# Altium PCB RcMPPT-SCC.PcbDoc (part 2 of 2)
Units mm, origin at the board's own origin, x right, y up, seen from the top; angles counter-clockwise.
Board outline 99.06 x 55.88 mm, 4 copper layers (Top Layer, Mid Layer 1, Mid Layer 2, Bottom Layer), stack 1.531 mm thick; 116 components, 88 nets, 523 pads, 348 vias.
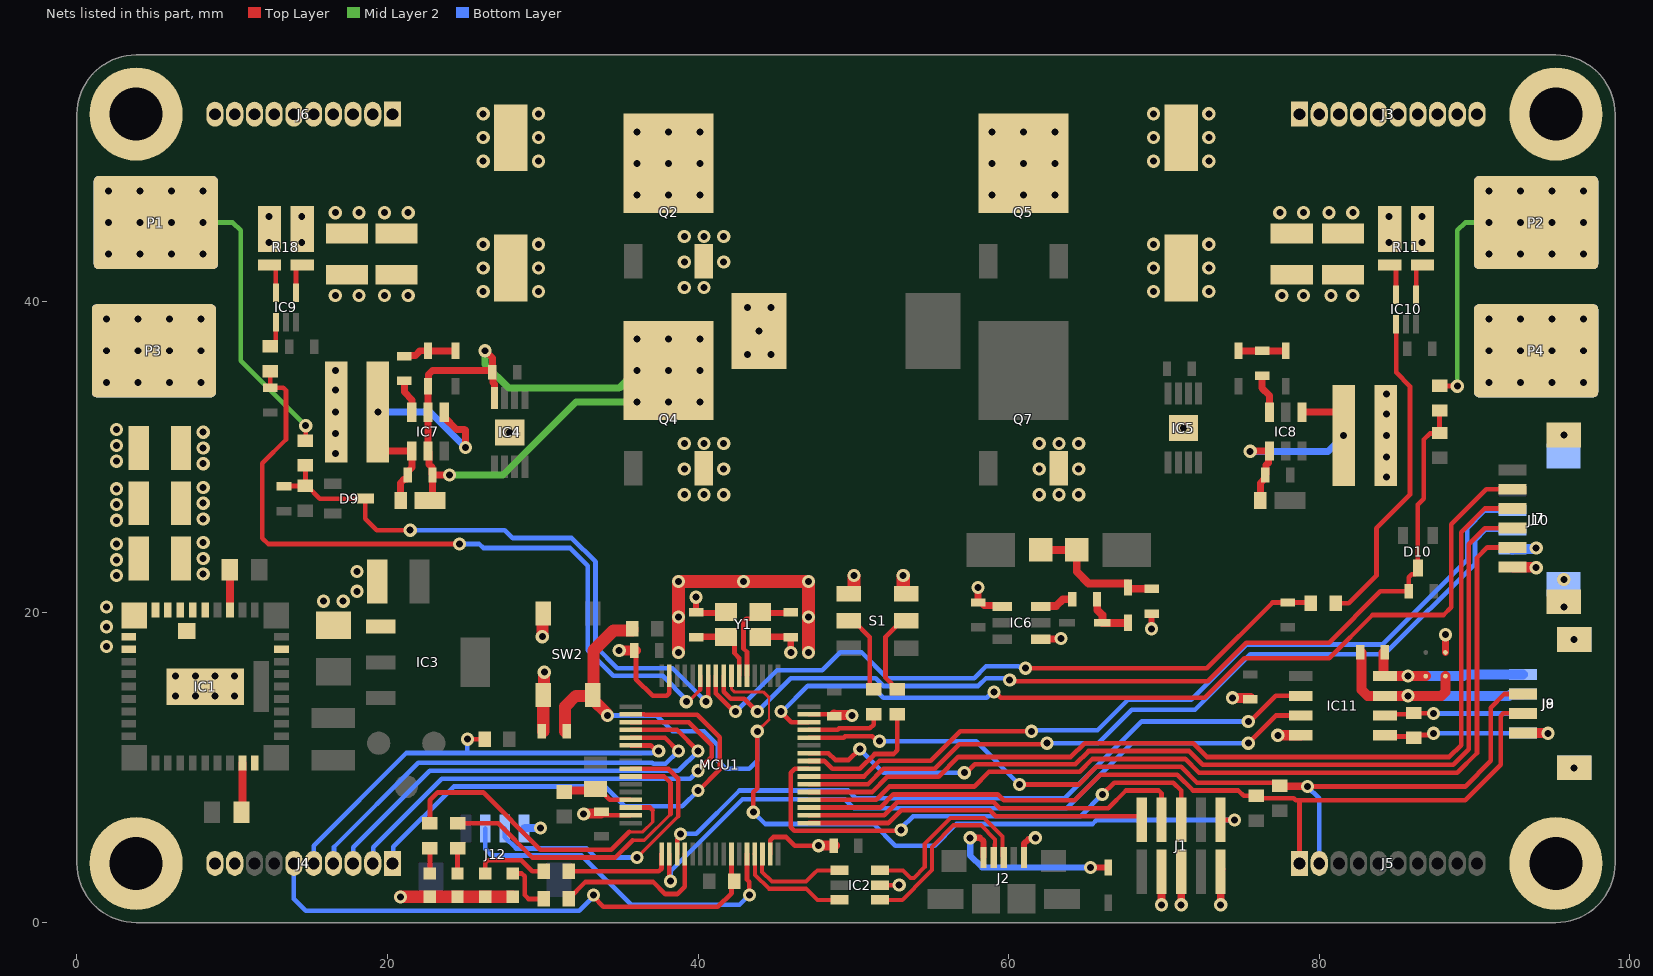
[diagram p4: the nets of this part, all layers, seen from the top]

## Via types
v1: diameter 0.85, hole 0.45, Top Layer to Bottom Layer, tented both sides, 340 vias
v2: diameter 0.85, hole 0.45, Top Layer to Bottom Layer, 8 vias

## Nets (pads, with @x,y where several pads share a name; then routed paths per layer and width w, separated by ;. In a path a pad name is that pad's centre, name@x,y a point inside that pad or via, vN(x,y) a via of type N, cw(c..) or ccw(c..) an arc to the next point about the centre after c; other vN are vias at no path point) (continued)
BUCK-TS: C13.2 C22.1 D7.2 IC4.8 IC7.2 IC7.5 L1.1 Q2.4 Q4.3 Z1.1 | length 42.8
  Top Layer w0.45: Z1.1@22.748,27.178 22.898,27.328 C22.1@22.898,28.829 ; v1(24.003,28.829) C22.1@22.898,28.829 ; v1(26.289,36.83) 26.759,36.36 C13.2@26.759,35.433 ; IC4.8@26.894,33.782 26.894,34.701 26.797,34.798 26.797,35.395 C13.2@26.759,35.433 ; C22.1@22.898,28.829 22.86,28.867 22.86,29.337 22.681,29.516 22.681,30.298 IC7.2@22.606,30.373 IC7.5@22.606,32.873 D7.2@22.606,34.549 22.631,34.574 22.631,35.296 22.895,35.56 26.714,35.56 26.759,35.515 C13.2@26.759,35.433
  Mid Layer 2 w0.45: v1(24.003,28.829) 27.432,28.829 32.131,33.528 v1(36.068,33.528) ; v1(26.289,36.83) 26.289,35.941 27.813,34.417 34.925,34.417 v1(36.068,35.56)
  other v1: 38.1,33.528 40.132,33.528 38.1,35.56 40.132,35.56 43.18,36.576 44.704,36.576 36.068,37.592 38.1,37.592 40.132,37.592 43.93,38.1 43.18,39.624 44.704,39.624 39.116,40.894 40.386,40.894 39.116,42.545 41.656,42.545 39.116,44.196 40.386,44.196 41.656,44.196
NetC15_1: C15.1 IC6.6 | length 2.2
  Top Layer w0.508: IC6.6@62.083,20.354 62.129,20.4 63.072,20.4 63.5,20.828 C15.1@64.097,20.828
NetC15_2: C15.2 D1.1 D2.2 | length 3.3
  Top Layer w0.508: C15.2@65.697,20.828 65.713,20.812 65.713,20.139 66.04,19.812 66.04,19.308 D1.1@66.035,19.304 67.687,19.304 D2.2@67.691,19.309
NetC18_1: C18.1 D2.1 D4.2 D?.2 | length 9.2
  Top Layer w0.508: D4.2@62.069,24.003 D?.2@64.389,24.003 64.389,22.606 65.151,21.844 67.687,21.844 67.691,21.84 D2.1@67.691,21.585 67.691,21.505 67.695,21.501 C18.1@69.215,21.501
NetC20_1: C20.1 IC7.6 | length 2.2
  Top Layer w0.45: C20.1@21.082,34.887 21.082,34.163 21.59,33.655 21.59,32.907 IC7.6@21.556,32.873
NetC20_2: C20.2 D7.1 D8.2 | length 3.4
  Top Layer w0.45: C20.2@21.082,36.487 21.127,36.532 21.8,36.532 22.098,36.83 22.601,36.83 D7.1@22.606,36.825 D8.2@24.384,36.825
NetC21_1: C21.1 IC8.6 | length 2.6
  Top Layer w0.45: C21.1@76.327,35.23 76.327,34.417 76.801,33.943 IC8.6@76.801,32.873
NetC21_2: C21.2 D5.2 D6.1 | length 3.1
  Top Layer w0.45: D5.2@74.803,36.825 74.805,36.827 76.324,36.827 C21.2@76.327,36.83 76.33,36.827 77.849,36.827 D6.1@77.851,36.825
NetC22_2: C22.2 IC7.1 IC7.4 R7.2 Z1.2 | length 18
  Top Layer w0.45: R7.2@19.257,32.893 19.257,30.873 19.757,30.373 IC7.1@21.556,30.373 21.59,30.339 21.59,29.321 21.298,29.029 C22.2@21.298,28.829 21.298,28.629 21.253,28.584 21.112,28.584 20.848,28.32 Z1.2@20.848,27.178 ; IC7.4@23.656,32.873 23.656,32.548 24.447,31.757 24.974,31.757 25.019,31.712 v1(25.019,30.607)
  Bottom Layer w0.45: v1@19.257,32.893 22.733,32.893 v1(25.019,30.607)
  other v1: 19.384,32.893
NetC23_2: C23.2 IC8.1 IC8.4 R8.2 Z2.2 | length 15.1
  Top Layer w0.45: v1@75.565,30.461 v1(75.565,30.353) 75.575,30.363 IC8.1@76.791,30.363 ; Z2.2@76.22,27.178 76.22,28.32 76.484,28.584 76.498,28.584 76.543,28.629 C23.2@76.543,28.829 76.581,28.867 76.581,29.464 76.726,29.609 76.726,30.298 IC8.1@76.791,30.363 ; IC8.1@76.801,30.373 IC8.1@76.791,30.363 ; IC8.4@78.901,32.873 81.081,32.873 81.581,32.373 v1(81.581,31.369)
  Bottom Layer w0.45: v1(75.565,30.353) 80.565,30.353 v1(81.581,31.369)
NetC26_1: C26.1 C27.1 C30.1 Q2.3 R18.4
  other v1: 14.478,43.815 14.478,45.466 16.637,45.72 18.161,45.72 19.812,45.72 21.336,45.72 36.068,46.863 38.1,46.863 40.132,46.863 36.068,48.895 38.1,48.895 40.132,48.895 26.162,49.04 29.718,49.04 26.162,50.564 29.718,50.564 36.068,50.927 38.1,50.927 40.132,50.927 26.162,52.088 29.718,52.088
NetC28_1: C28.1 C29.1 C31.1 Q5.3 R11.1
  other v1: 84.508,43.815 84.508,45.466 77.47,45.72 78.994,45.72 80.645,45.72 82.169,45.72 58.928,46.863 60.96,46.863 62.992,46.863 58.928,48.895 60.96,48.895 62.992,48.895 69.342,49.04 72.898,49.04 69.342,50.564 72.898,50.564 58.928,50.927 60.96,50.927 62.992,50.927 69.342,52.088 72.898,52.088
NetC34_1: C34.1 IC11.7 J9.2 SB1.2 | length 16.5
  Top Layer w0.65: C34.1@82.739,17.399 82.739,14.986 83.12,14.605 IC11.7@84.246,14.605 v1(85.725,14.605) 87.881,14.605 88.138,14.862 SB1.2@88.138,15.875
  Bottom Layer w0.65: v1(85.725,14.605) 92.224,14.605 92.316,14.697 93.106,14.697 J9.2@93.131,14.722
NetC34_2: C34.2 IC11.8 J9.1 SB2.2 | length 11.7
  Top Layer w0.65: C34.2@84.139,17.399 84.139,15.875 IC11.8@84.246,15.875 v1(85.725,15.875) SB2.2@86.868,15.875
  Bottom Layer w0.65: v1(85.725,15.875) 89.281,15.875 89.378,15.972 J9.1@93.131,15.972
NetD11_2: D11.2 J2.1 | length 12.3
  Top Layer w0.4: v1(57.531,5.461) 58.156,5.461 58.39,5.227 J2.1@58.39,4.199 ; v1(65.278,3.556) 65.28,3.554 66.418,3.554 D11.2@66.421,3.551
  Bottom Layer w0.4: v1(57.531,5.461) 57.531,4.318 58.293,3.556 v1(65.278,3.556)
NetIC9_1: IC9.1 R9.2 | length 1.8
  Top Layer w0.3: R9.2@12.446,37.122 12.546,37.122 12.812,37.388 IC9.1@12.812,38.674
NetIC9_4: IC9.4 R18.3 | length 2.2
  Top Layer w0.3: IC9.4@14.112,40.447 14.112,42.144 14.312,42.344 R18.3@14.515,42.344
NetIC9_5: IC9.5 R18.2 | length 2.2
  Top Layer w0.3: R18.2@12.409,42.344 12.612,42.344 12.812,42.144 IC9.5@12.812,40.447
NetIC10_1: IC10.1 R10.2 | length 20.8
  Top Layer w0.3: R10.2@81.064,20.574 81.915,20.574 83.693,22.352 83.693,25.4 85.852,27.559 85.852,34.544 84.963,35.433 84.963,38.532 IC10.1@84.948,38.547
NetIC10_4: IC10.4 R11.3 | length 2.2
  Top Layer w0.3: IC10.4@86.248,40.447 86.248,42.144 86.448,42.344 R11.3@86.651,42.344
NetIC10_5: IC10.5 R11.2 | length 2.2
  Top Layer w0.3: R11.2@84.545,42.344 84.748,42.344 84.948,42.144 IC10.5@84.948,40.447
NetIC11_5: IC11.5 J9.4 R17.1 | length 9.1
  Top Layer w0.3: IC11.5@84.246,12.065 84.329,11.983 86.023,11.983 R17.1@86.106,11.9 86.293,12.087 87.271,12.087 v1(87.376,12.192)
  Bottom Layer w0.3: v1(87.376,12.192) 93.101,12.192 J9.4@93.131,12.222
NetIC11_6: IC11.6 J9.3 R17.2 | length 9
  Top Layer w0.3: IC11.6@84.246,13.335 84.329,13.418 86.024,13.418 R17.2@86.106,13.5 86.125,13.481 87.357,13.481 v1(87.376,13.462)
  Bottom Layer w0.3: v1(87.376,13.462) 87.381,13.467 93.126,13.467 J9.3@93.131,13.472
NetLED1_2: LED1.2 R3.2 | length 1.6
  Top Layer w0.3: LED1.2@22.733,3.163 R3.2@22.733,4.788
NetLED2_2: LED2.2 R4.2 | length 1.6
  Top Layer w0.3: LED2.2@24.511,3.163 R4.2@24.511,4.788
NetLED3_2: LED3.2 R5.2 | length 4.8
  Top Layer w0.3: LED3.2@26.289,3.163 26.289,3.837 26.465,4.013 28.626,4.013 29.337,3.302 R5.2@30.061,3.302
NetLED4_2: LED4.2 R6.2 | length 3.4
  Top Layer w0.3: LED4.2@28.067,3.163 28.653,3.163 28.829,2.987 28.829,1.778 29.083,1.524 R6.2@30.061,1.524
NetR1_1: R1.1 S1.2 | length 5.5
  Top Layer w0.3: R1.1@52.832,15.024 52.732,15.024 52.482,15.274 52.482,15.374 52.07,15.786 52.07,18.389 53.112,19.431 S1.2@53.412,19.431
NetR2_1: R2.1 S1.5 | length 5.2
  Top Layer w0.3: S1.5@49.712,19.431 50.012,19.431 51.054,18.389 51.054,15.274 51.304,15.024 R2.1@51.308,15.024
PGND: C1.2 C2.2 C3.2 C4.2 C5.2 C8.2 C9.2 C10.2 C11.2 C12.2 C17.2 C18.2 C26.2 C27.2 C28.2 C29.2 C30.2 C31.2 C33.2 CL1.1 CL2.1 IC1.19 IC1.29 IC1.30 IC1.31 IC1.32 IC1.33 IC1.41 IC2.2 IC3.1 IC4.9 IC5.9 IC6.1 IC6.4 IC11.4 J1.3 J1.5 J1.9 J2.5 J3.1 J3.2 J3.3 J3.4 J4.9 J4.10 J6.1 J6.2 J6.3 J6.4 J7.6 J7.MP1 J7.MP2 J8.1 J8.MP1 J8.MP2 J9.MP1 J9.MP2 J10.4 J10.MP1 J10.MP2 J12.1 LED1.1 LED2.1 LED3.1 LED4.1 MCU1.15 MCU1.31 MCU1.47 MCU1.63 P3.1 P4.1 pad.2 Q4.4 Q7.4 R7.1 R8.1 S1.3 S1.6 SB1.1 SW2.3 SW2.4 Y1.2 Y1.4 | length 86.3
  Top Layer w0.3: C10.2@33.782,7.05 33.922,6.91 MCU1.31@35.664,6.91 ; C11.2@36.003,17.526 36.003,15.686 37.084,14.605 37.973,14.605 38.152,14.784 MCU1.15@38.152,15.898 ; MCU1.47@44.652,4.422 44.652,5.304 44.857,5.51 45.671,5.51 45.72,5.461 46.228,4.953 v1(47.752,4.953) ; MCU1.63@47.14,13.41 48.755,13.41 C9.2@48.768,13.397 ; IC2.2@51.719,2.413 v1(52.959,2.413) ; R8.1@84.281,31.369 v1(84.328,31.369) ; v1(84.328,28.702) v1(84.328,31.369) ; v1(84.328,34.036) 84.281,33.989 84.281,32.766 84.328,32.719 v1(84.328,31.369)
  Top Layer w0.4: v1(39.878,20.955) CL2.1@39.878,19.977 39.916,19.939 41.737,19.939 Y1.2@41.801,20.002 ; Y1.4@44.001,18.402 44.013,18.415 45.936,18.415 CL1.1@45.974,18.377 v1(45.974,17.399) ; J2.5@60.99,4.199 60.99,5.075 61.29,5.375 61.636,5.375 v1(61.722,5.461) ; v1(69.215,18.923) C18.2@69.215,19.901
  Top Layer w0.45: v1(58.039,21.59) C17.2@58.039,20.612 58.239,20.612 58.422,20.429 59.508,20.429 IC6.1@59.583,20.354 ; IC6.4@62.083,18.254 62.1,18.271 63.356,18.271 v1(63.373,18.288) ; SB1.1@88.138,17.399 v1(88.138,18.542)
  Top Layer w0.5: v1(69.848,1.143) 69.849,1.144 69.849,3.277 J1.3@69.85,3.278 ; v1(71.12,1.143) J1.5@71.12,3.278 ; v1(73.66,1.143) J1.9@73.66,3.278 73.66,3.354 J1.9@73.735,3.429
  Top Layer w0.65: v1(32.639,6.985) 32.672,7.018 33.75,7.018 C10.2@33.782,7.05 ; v1(34.925,17.526) C11.2@36.003,17.526 ; v1(47.752,4.953) C8.2@48.83,4.953 ; C9.2@48.768,13.397 48.799,13.366 49.88,13.366 v1(49.911,13.335) ; v1(74.422,14.478) 74.424,14.476 75.563,14.476 C33.2@75.565,14.475 ; v1(77.343,12.065) IC11.4@78.822,12.065 ; J7.6@92.458,22.91 92.483,22.885 93.955,22.885 v1(93.98,22.86) ; J8.1@93.131,12.222 93.146,12.207 94.727,12.207 v1(94.742,12.192)
  Top Layer w0.78: v1(29.972,18.415) 29.985,18.428 29.985,19.859 SW2.3@30.023,19.897 ; C12.2@30.034,12.319 30.034,14.636 SW2.4@30.023,14.647 30.086,14.71 30.086,16.116 v1(30.099,16.129)
  Top Layer w0.8: v1(20.828,1.651) 22.721,1.651 LED1.1@22.733,1.663 LED2.1@24.511,1.663 LED3.1@26.289,1.663 LED4.1@28.067,1.663
  Top Layer w0.85: v1(38.735,17.399) v1(38.735,21.971) v1(42.926,21.971) v1(47.117,21.971) v1(47.117,17.399) ; S1.6@49.712,21.181 49.963,21.181 50.038,21.256 v1(50.038,22.352) ; v1(53.213,22.352) 53.213,21.256 53.288,21.181 S1.3@53.412,21.181
  Bottom Layer w0.5: J12.1@28.799,6.056 28.839,6.096 v1(29.845,6.096)
  Bottom Layer w0.65: J10.4@92.45,24.043 92.475,24.068 93.864,24.068 93.926,24.13 v1(93.98,24.13)
  other v1: 96.431,9.972 1.905,17.78 96.431,18.222 1.905,19.05 38.735,19.685 47.117,19.685 1.905,20.32 95.758,20.32 15.875,20.701 17.145,20.701 18.034,21.336 95.758,22.098 2.54,22.352 18.034,22.606 2.54,23.368 2.54,24.384 2.54,25.908 2.54,26.924 39.116,27.559 40.386,27.559 41.656,27.559 61.976,27.559 63.246,27.559 64.516,27.559 2.54,27.94 39.116,29.21 41.656,29.21 61.976,29.21 64.516,29.21 2.54,29.718 84.328,29.972 16.637,30.226 2.54,30.734 39.116,30.861 40.386,30.861 41.656,30.861 61.976,30.861 63.246,30.861 64.516,30.861 95.758,31.41 16.637,31.496 27.869,31.57 2.54,31.75 71.259,31.852 84.328,32.766 16.637,32.893 16.637,34.29 16.637,35.56 16.637,40.386 18.161,40.386 19.812,40.386 21.336,40.386 77.597,40.386 78.994,40.386 80.772,40.386 82.169,40.386 26.162,40.64 29.718,40.64 69.342,40.64 72.898,40.64 26.162,42.164 29.718,42.164 69.342,42.164 72.898,42.164 26.162,43.688 29.718,43.688 69.342,43.688 72.898,43.688
  other v2: 6.35,14.605 7.62,14.605 8.89,14.605 10.16,14.605 6.35,15.875 7.62,15.875 8.89,15.875 10.16,15.875
RT: IC1.9 RT1.1 | length 3.2
  Top Layer w0.5: IC1.9@10.655,10.278 10.655,7.125 RT1.1@10.659,7.121
  Top Layer w0.508: RT1.1@10.659,7.121 RT1.1@10.668,7.112
RTSEL: IC1.10
STM32-ADC1: C36.2 MCU1.9 R10.1 | length 44.3
  Top Layer w0.3: MCU1.9@41.152,15.898 41.152,14.759 42.322,13.589 v1(42.418,13.589) ; v1(61.087,16.383) 72.771,16.383 77,20.612 C36.2@77.978,20.612 79.426,20.612 R10.1@79.464,20.574
  Bottom Layer w0.3: v1(42.418,13.589) 45.085,16.256 48.006,16.256 49.165,17.415 50.53,17.415 52.197,15.748 57.785,15.748 58.547,16.51 60.636,16.51 60.658,16.488 60.982,16.488 v1(61.087,16.383)
STM32-ADC2: C38.2 D10.3 MCU1.8 R14.1 R16.2 | length 62.4
  Top Layer w0.3: MCU1.8@41.652,15.898 41.652,14.863 42.097,14.418 42.986,14.418 v1(43.815,13.589) ; v1(60.071,15.621) 60.138,15.554 72.831,15.554 75.311,18.034 80.645,18.034 83.947,21.336 C38.2@85.776,21.336 85.769,21.343 85.769,22.235 85.96,22.426 86.185,22.426 86.36,22.601 D10.3@86.36,22.826 86.36,26.924 86.741,27.305 86.741,31.115 87.122,31.496 87.719,31.496 R16.2@87.757,31.534 R14.1@87.757,32.982
  Bottom Layer w0.3: v1(43.815,13.589) 45.974,15.748 51.435,15.748 51.943,15.24 58.039,15.24 58.547,15.748 59.62,15.748 59.642,15.726 59.966,15.726 v1(60.071,15.621)
STM32-ADC3: C37.2 D9.3 MCU1.10 R12.1 R15.2 | length 40
  Top Layer w0.3: C37.2@13.335,28.105 13.344,28.115 14.707,28.115 R15.2@14.716,28.124 ; R12.1@14.716,29.445 R15.2@14.716,28.124 ; v1(21.463,25.273) 19.304,25.273 18.576,26.001 D9.3@18.576,27.305 15.635,27.305 14.816,28.124 R15.2@14.716,28.124 ; v1(40.513,14.224) 40.513,14.373 40.652,14.512 MCU1.10@40.652,15.898
  Bottom Layer w0.3: v1(21.463,25.273) 27.559,25.273 28.067,24.765 31.877,24.765 33.401,23.241 33.401,17.78 34.798,16.383 38.354,16.383 v1(40.513,14.224)
STM32-ADC4: C35.2 MCU1.11 R9.1 | length 49.4
  Top Layer w0.2: v1(39.243,14.224) 39.37,14.224 40.152,15.006
  Top Layer w0.3: R9.1@12.446,35.522 C35.2@12.446,34.455 13.286,34.455 13.462,34.279 13.462,31.115 11.938,29.591 11.938,24.765 12.319,24.384 v1(24.638,24.384) ; 40.152,15.006 MCU1.11@40.152,15.898
  Bottom Layer w0.3: v1(24.638,24.384) 25.908,24.384 26.162,24.13 31.75,24.13 32.893,22.987 32.893,17.538 34.544,15.887 37.719,15.887 39.243,14.363 v1(39.243,14.224)
STM32-BMS-ALERT: J4.1 MCU1.18 | length 33.7
  Top Layer w0.3: MCU1.18@35.664,13.41 35.665,13.409 36.341,13.409 36.546,13.409 36.56,13.395 39.945,13.395 41.402,11.938 41.402,9.864 40.047,8.509 v1(40.005,8.509)
  Bottom Layer w0.3: J4.1@20.32,3.81 20.378,3.868 20.378,4.884 24.257,8.763 34.022,8.763 35.292,7.493 38.989,7.493 v1(40.005,8.509)
STM32-BMS-CFETOFF: J4.3 MCU1.20 | length 30.7
  Top Layer w0.3: MCU1.20@35.664,12.41 38.644,12.41 v1(40.005,11.049)
  Bottom Layer w0.3: J4.3@17.78,3.81 17.804,3.834 17.804,4.85 22.733,9.779 38.735,9.779 v1(40.005,11.049)
STM32-BMS-DFETOFF: J4.2 MCU1.19 | length 31.9
  Top Layer w0.3: MCU1.19@35.664,12.91 39.414,12.91 40.894,11.43 40.894,10.668 v1(40.005,9.779)
  Bottom Layer w0.3: J4.2@19.05,3.81 19.074,3.834 19.074,4.85 23.495,9.271 39.497,9.271 v1(40.005,9.779)
STM32-BMS-I2C-SCL: J4.5 MCU1.22 R20.2 | length 29.8
  Top Layer w0.3: v1(25.146,11.811) R20.2@26.251,11.811 ; MCU1.22@35.664,11.41 36.955,11.41 37.316,11.049 v1(37.465,11.049)
  Bottom Layer w0.3: J4.5@15.24,3.81 15.24,4.953 21.209,10.922 25.146,10.922 ; v1(25.146,11.811) 25.146,10.922 ; v1(37.465,11.049) 37.36,10.944 37.036,10.944 37.014,10.922 25.146,10.922
STM32-BMS-I2C-SDA: J4.6 MCU1.42 R19.2 | length 34.5
  Top Layer w0.3: v1(33.274,1.778) 33.274,1.651 33.909,1.016 41.275,1.016 42.159,1.9 42.159,2.497 R19.2@42.329,2.667 ; R19.2@42.152,2.744 MCU1.42@42.152,4.422
  Bottom Layer w0.3: J4.6@13.97,3.81 13.97,1.524 14.732,0.762 32.339,0.762 33.274,1.697 v1(33.274,1.778)
STM32-BMS-RST-SHUT: J4.4 MCU1.21 | length 29.3
  Top Layer w0.3: MCU1.21@35.664,11.91 37.874,11.91 v1(38.735,11.049)
  Bottom Layer w0.3: J4.4@16.51,3.81 16.554,3.854 16.554,4.87 21.971,10.287 37.055,10.287 37.122,10.22 37.906,10.22 v1(38.735,11.049)
STM32-BOOT: MCU1.61 R2.2 | length 5
  Top Layer w0.3: MCU1.61@47.14,12.41 48.986,12.41 49.082,12.506 51.065,12.506 51.308,12.749 R2.2@51.308,13.424
STM32-CAN-TRCV-RX: IC11.3 MCU1.34 | length 47.6
  Top Layer w0.3: MCU1.34@38.152,4.422 38.152,2.742 v1(38.227,2.667) ; v1(75.438,11.557) 77.216,13.335 IC11.3@78.822,13.335
  Bottom Layer w0.3: v1(38.227,2.667) 38.227,3.302 42.866,7.941 49.463,7.941 50.038,7.366 63.754,7.366 67.945,11.557 v1(75.438,11.557)
STM32-CAN-TRCV-TX: IC11.2 MCU1.35 | length 45.4
  Top Layer w0.3: MCU1.35@38.652,4.422 38.652,5.356 38.862,5.566 v1(38.862,5.715) ; v1(75.438,12.954) 75.565,12.954 77.216,14.605 IC11.2@78.822,14.605
  Bottom Layer w0.3: v1(38.862,5.715) 39.878,5.715 42.672,8.509 49.657,8.509 50.165,8.001 63.627,8.001 68.58,12.954 v1(75.438,12.954)
STM32-I2C-CON-SCL: J5.1 J8.2 MCU1.51 R21.2 | length 56.1
  Top Layer w0.3: MCU1.51@47.14,7.41 51.733,7.41 52.578,8.255 59.309,8.255 59.69,7.874 64.262,7.874 65.913,9.525 70.866,9.525 71.882,8.509 74.803,8.509 75.146,8.166 R21.2@75.946,8.166 76.111,8.001 78.359,8.001 78.486,7.874 78.74,7.874 ; J5.1@78.74,3.81 78.74,7.874 ; J8.2@93.131,13.472 91.87,13.472 91.694,13.296 91.694,10.16 89.408,7.874 78.74,7.874
STM32-I2C-CON-SDA: J5.2 J8.3 MCU1.60 R22.2 | length 58
  Top Layer w0.3: MCU1.60@47.14,11.91 49.375,11.91 49.47,12.005 51.219,12.005 51.54,11.684 v1(51.689,11.684) ; v1(60.706,8.89) 64.516,8.89 65.659,10.033 71.12,10.033 72.136,9.017 R22.2@77.47,9.017 ; v1(79.248,8.763) 89.408,8.763 91.059,10.414 91.059,13.843 91.938,14.722 J8.3@93.131,14.722
  Top Layer w0.5: R22.2@77.47,8.801 77.489,8.782 79.229,8.782 v1(79.248,8.763)
  Bottom Layer w0.3: v1(51.689,11.684) 57.912,11.684 v1(60.706,8.89) ; v1(79.248,8.763) 80.01,8.001 J5.2@80.01,3.81
STM32-LED1: MCU1.30 R3.1 | length 20.6
  Top Layer w0.2: 35.56,5.842 36.449,5.842 37.084,6.477 37.084,7.234
  Top Layer w0.3: R3.1@22.733,6.388 22.733,7.874 23.241,8.382 26.162,8.382 29.845,4.699 34.417,4.699 35.56,5.842 ; MCU1.30@35.664,7.41 36.908,7.41 37.084,7.234
STM32-LED2: MCU1.26 R4.1 | length 20.5
  Top Layer w0.2: 35.782,5.302 36.544,5.302 38.227,6.985
  Top Layer w0.3: R4.1@24.511,6.388 27.14,6.388 29.337,4.191 34.671,4.191 35.782,5.302 ; MCU1.26@35.664,9.41 37.834,9.41 38.227,9.017 38.227,6.985
STM32-LED3: MCU1.33 R5.1 | length 7
  Top Layer w0.3: R5.1@31.661,3.302 37.476,3.302 37.652,3.478 MCU1.33@37.652,4.422
STM32-LED4: MCU1.36 R6.1 | length 10.6
  Top Layer w0.3: R6.1@31.661,1.524 31.661,1.528 32.749,2.616 37.105,2.616 37.884,1.838 38.668,1.838 39.152,2.322 MCU1.36@39.152,4.422
STM32-NRST: C12.1 J1.10 MCU1.7 R13.2 SW2.2 | length 70
  Top Layer w0.127: 44.577,13.081 44.577,14.478
  Top Layer w0.2: MCU1.7@42.152,15.898 42.152,15.035 42.328,14.859 44.196,14.859 44.577,14.478 ; v1(43.815,12.319) 44.577,13.081
  Top Layer w0.3: v1(43.561,7.112) 43.561,8.382 43.815,8.636 v1(43.815,12.319) ; J1.10@73.66,6.628 73.684,6.604 v1(74.549,6.604)
  Top Layer w0.78: C12.1@31.434,12.319 31.434,13.908 32.131,14.605 33.181,14.605 SW2.2@33.223,14.647 ; v1(34.163,13.335) 34.15,13.348 34.15,13.445 33.223,14.372 SW2.2@33.223,14.647 ; R13.2@35.776,18.923 35.776,18.823 35.766,18.813 34.561,18.813 33.274,17.526 33.274,14.698 SW2.2@33.223,14.647
  Bottom Layer w0.3: v1(34.163,13.335) 37.338,13.335 38.354,12.319 40.386,12.319 41.275,11.43 41.275,10.414 41.783,9.906 43.307,9.906 43.815,10.414 v1(43.815,12.319) ; v1(43.561,7.112) 44.323,6.35 51.308,6.35 52.705,4.953 55.245,4.953 56.642,6.35 65.405,6.35 65.659,6.604 v1(74.549,6.604)
STM32-RC-CON-1: J12.3 MCU1.44 | length 22.8
  Top Layer w0.3: MCU1.44@43.152,4.422 MCU1.44@43.152,4.422 43.153,3.745 43.153,2.77 43.302,2.621 43.302,1.783 v1(43.307,1.778)
  Bottom Layer w0.3: J12.3@26.299,6.056 26.299,4.748 26.729,4.318 32.512,4.318 35.687,1.143 42.672,1.143 v1(43.307,1.778)
STM32-RC-CON-2: J12.2 MCU1.25 | length 18.9
  Top Layer w0.2: v1@36.225,4.348 38.735,6.858
  Top Layer w0.3: MCU1.25@35.664,9.91 38.096,9.91 38.735,9.271 38.735,6.858
  Bottom Layer w0.3: J12.2@27.549,6.056 27.549,5.506 28.28,4.775 32.817,4.775 33.401,4.191 v1(36.068,4.191)
STM32-SPI-CON-CS: J7.2 MCU1.62 | length 59.2
  Top Layer w0.3: v1(45.339,13.589) 46.018,12.91 MCU1.62@47.14,12.91 ; v1(59.055,14.859) 59.125,14.859 59.506,14.478 72.644,14.478 75.184,17.018 80.645,17.018 83.439,19.812 88.011,19.812 88.519,20.32 88.519,25.654 90.775,27.91 J7.2@92.458,27.91
  Bottom Layer w0.3: v1(45.339,13.589) 45.409,13.589 47.06,15.24 51.181,15.24 51.943,14.478 58.604,14.478 58.985,14.859 v1(59.055,14.859)
STM32-SPI-CON-MISO: J7.3 MCU1.53 | length 61.7
  Top Layer w0.3: MCU1.53@47.14,8.41 51.209,8.41 52.197,9.398 55.499,9.398 56.769,10.668 64.008,10.668 64.897,11.557 71.882,11.557 72.771,10.668 88.392,10.668 89.154,11.43 89.154,25.146 90.678,26.67 92.448,26.67 J7.3@92.458,26.66
STM32-SPI-CON-MOSI: J7.4 MCU1.58 | length 61.4
  Top Layer w0.3: MCU1.58@47.14,10.91 48.399,10.91 48.835,10.474 49.717,10.474 v1(50.419,11.176) ; v1(57.15,9.652) 57.279,9.652 57.833,10.206 64.308,10.206 65.151,11.049 71.628,11.049 72.517,10.16 88.646,10.16 89.641,11.155 89.641,24.363 90.678,25.4 92.448,25.4 J7.4@92.458,25.41
  Bottom Layer w0.3: v1(50.419,11.176) 51.943,9.652 v1(57.15,9.652)
STM32-SPI-CON-SCK: J7.5 MCU1.52 | length 60.2
  Top Layer w0.3: MCU1.52@47.14,7.91 51.471,7.91 52.324,8.763 57.785,8.763 58.741,9.719 60.363,9.719 64.583,9.719 65.405,10.541 71.374,10.541 72.263,9.652 88.9,9.652 90.17,10.922 90.17,23.495 90.835,24.16 J7.5@92.458,24.16
STM32-SW1-2: MCU1.57 R1.2 | length 8.7
  Top Layer w0.3: MCU1.57@47.14,10.41 48.137,10.41 48.641,9.906 50.419,9.906 51.368,10.855 52.589,10.855 52.832,11.098 R1.2@52.832,13.424
STM32-SWCLK: J1.4 MCU1.50 | length 25.5
  Top Layer w0.3: MCU1.50@47.14,6.91 51.995,6.91 52.832,7.747 59.055,7.747 59.436,7.366 66.421,7.366 67.564,8.509 69.674,8.509 69.85,8.333 J1.4@69.85,6.628
STM32-SWDIO: J1.2 MCU1.49 | length 22.1
  Top Layer w0.3: MCU1.49@47.14,6.41 52.257,6.41 53.086,7.239 58.801,7.239 59.182,6.858 68.405,6.858 68.58,6.683 J1.2@68.58,6.628
STM32-SWO: J1.6 MCU1.56 | length 33.5
  Top Layer w0.3: MCU1.56@47.14,9.91 46.232,9.91 45.974,9.652 45.974,6.145 46.209,5.91 53.027,5.91 v1(53.086,5.969) ; v1(66.04,8.255) 66.802,9.017 70.612,9.017 71.12,8.509 J1.6@71.12,6.628
  Bottom Layer w0.3: v1(53.086,5.969) 53.086,6.096 53.848,6.858 64.643,6.858 v1(66.04,8.255)
STM32-UART-CON-RX: J10.2 MCU1.55 | length 53.6
  Top Layer w0.3: MCU1.55@47.14,9.41 50.685,9.41 51.689,10.414 54.991,10.414 56.896,12.319 v1(61.468,12.319)
  Bottom Layer w0.3: v1(61.468,12.319) 61.535,12.386 65.726,12.386 67.691,14.351 71.755,14.351 75.311,17.907 84.074,17.907 89.535,23.368 89.535,25.4 90.678,26.543 J10.2@92.45,26.543
STM32-UART-CON-TX: J10.3 MCU1.54 | length 53
  Top Layer w0.3: MCU1.54@47.14,8.91 50.947,8.91 51.943,9.906 55.245,9.906 56.829,11.49 62.417,11.49 v1(62.484,11.557)
  Bottom Layer w0.3: v1(62.484,11.557) 65.786,11.557 67.945,13.716 72.009,13.716 75.565,17.272 84.201,17.272 90.043,23.114 90.043,24.638 90.698,25.293 J10.3@92.45,25.293
STM32-VDDA: C7.1 FB1.2 MCU1.29 | length 4.7
  Top Layer w0.3: C7.1@33.401,8.598 33.626,8.598 34.314,7.91 MCU1.29@35.664,7.91
  Top Layer w0.5: FB1.2@31.369,8.42 31.458,8.509 33.312,8.509 C7.1@33.401,8.598
STM32-XC_IN: CL1.2 MCU1.5 Y1.1 | length 6.9
  Top Layer w0.3: MCU1.5@43.152,15.898 43.152,17.427 42.926,17.653 42.926,19.402 43.102,19.577 43.576,19.577 Y1.1@44.001,20.002
  Top Layer w0.4: Y1.1@44.001,20.002 44.064,19.939 45.936,19.939 CL1.2@45.974,19.977
STM32-XC_OUT: CL2.2 MCU1.6 Y1.3 | length 4.9
  Top Layer w0.3: Y1.3@41.801,18.402 41.926,18.402 42.351,17.977 42.351,17.339 42.652,17.038 MCU1.6@42.652,15.898
  Top Layer w0.4: CL2.2@39.878,18.377 39.916,18.415 41.788,18.415 Y1.3@41.801,18.402
USB-Con-D_N: IC2.1 J2.2 | length 11.9
  Top Layer w0.261: IC2.1@51.719,1.463 53.154,1.463 53.769,2.078 53.769,2.08 54.1,2.411 54.102,2.411 55.065,3.374 55.065,4.879 56.457,6.271 58.224,6.271 59.133,5.362 59.133,5.071 59.109,5.047 59.109,4.268 J2.2@59.04,4.199
USB-Con-D_P: IC2.3 J2.3 | length 12.4
  Top Layer w0.261: IC2.3@51.719,3.363 53.206,3.363 53.694,2.876 53.91,2.876 54.601,3.567 54.601,5.071 56.265,6.735 58.416,6.735 59.597,5.554 59.597,5.071 59.621,5.047 59.621,4.268 J2.3@59.69,4.199
USB-D_N: IC2.6 MCU1.45 | length 7.5
  Top Layer w0.261: MCU1.45@43.652,4.422 43.67,4.404 43.67,3.073 44.562,2.181 46.966,2.181 47.544,1.603 47.546,1.603 47.686,1.463 IC2.6@49.119,1.463
USB-D_P: IC2.4 MCU1.46 | length 6.7
  Top Layer w0.261: MCU1.46@44.152,4.422 44.134,4.404 44.134,3.266 44.755,2.645 46.966,2.645 47.544,3.223 47.546,3.223 47.686,3.363 IC2.4@49.119,3.363
VADJ: IC1.24 RADJ1.1 | length 2.8
  Top Layer w0.5: IC1.24@9.855,20.128 9.855,22.809 RADJ1.1@9.906,22.86
VCC: J3.5 J3.6 J3.7 J3.8 J3.9 J3.10 P2.1 R11.4 R14.2 | length 13.6
  Top Layer w0.3: R14.2@87.757,34.582 87.776,34.563 88.881,34.563 v1(88.9,34.544)
  Mid Layer 2 w0.3: v1(88.9,34.544) 88.9,44.577 89.408,45.085 P2.1@90.932,45.085 ; P2.1@92.964,44.958 P2.1@92.964,45.085
  other v1: 86.614,43.815 86.614,45.466
Vout: C1.1 C2.1 C3.1 IC1.26 IC1.27 IC1.28 IC1.42 J6.5 J6.6 J6.7 J6.8 J6.9 J6.10 P1.1 R12.2 R18.1 | length 17.9
  Top Layer w0.3: R12.2@14.716,31.045 14.732,31.061 v1(14.732,32.004)
  Mid Layer 2 w0.3: P1.1@8.128,45.085 10.033,45.085 10.541,44.577 10.541,42.418 10.541,36.195 v1(14.732,32.004)
  other v1: 8.128,22.442 8.128,23.458 8.128,24.474 8.128,25.998 8.128,27.014 8.128,28.03 8.128,29.554 8.128,30.57 8.128,31.586 12.372,43.815 12.372,45.466
pads on no net: IC1.6 IC1.20 IC1.21 IC1.23 IC1.25 IC1.34 IC1.35 IC1.36 IC1.37 IC1.38 IC1.39 IC1.40 IC4.5 IC5.5 IC6.3 IC7.3 IC8.3 J1.7 J1.8 J2.4 J2.6 J2.7 J2.8 J2.9 J2.10 J2.11 J12.MP1 J12.MP2 MCU1.1 MCU1.2 MCU1.3 MCU1.4 MCU1.12 MCU1.13 MCU1.14 MCU1.17 MCU1.23 MCU1.24 MCU1.37 MCU1.43 MCU1.59 SW2.1

## Polygon pours and split planes (outlines as drawn)
Vout on Top Layer "VOUT_L01_P001" (solid, remove dead copper, pour order 1): 15.875,55.88 15.875,50.546 13.208,50.546 13.208,43.053 11.43,43.053 11.43,24.003 8.89,24.003 8.89,20.955 8.505,20.955 8.505,18.153 6.405,18.153 6.405,20.955 5.588,20.955 5.588,33.274 9.652,33.274 9.652,42.037 0,42.037 0,55.88 12.065,55.88
NetC26_1 on Top Layer "NETC26_1_L01_P037" (solid, pour order 37): 24.003,43.053 13.716,43.053 13.716,50.114 17.475,50.114 21.92,50.114 24.511,52.705 34.869,52.705 35.377,52.197 41.33,52.197 41.33,45.644 33.96,45.644 33.655,45.339 26.289,45.339
NetC28_1 on Top Layer "NETC28_1_L01_P036" (solid, pour order 36): 85.344,43.053 85.344,50.165 81.788,50.165 77.47,50.165 74.93,52.705 64.47,52.705 63.86,52.095 58.06,52.095 58.06,45.695 65.176,45.695 65.532,45.339 73.025,45.339 75.311,43.053
BOOST-TS on Top Layer "BOOST-TS_L01_P041" (solid, pour order 41): 65.024,33.401 63.373,31.75 51.816,31.75 50.165,33.401 50.165,43.18 51.816,44.831 65.024,44.831
PGND on Top Layer "PGND_L01_P042" (solid, pour order 42): 29.718,29.845 29.718,37.592 23.495,37.592 21.336,39.751 15.875,39.751 15.875,42.545 24.13,42.545 26.416,44.831 33.528,44.831 33.528,33.274 35.433,31.369 63.5,31.369 65.532,33.401 65.532,44.831 72.771,44.831 75.057,42.545 83.058,42.545 83.058,39.751 77.597,39.751 75.438,37.592 69.342,37.592 69.342,30.099 65.151,25.908 42.291,25.908 33.655,25.908
BUCK-TS on Top Layer "BUCK-TS_L01_P040" (solid, pour order 40): 34.036,33.401 35.687,31.75 47.244,31.75 48.895,33.401 48.895,43.18 47.244,44.831 34.036,44.831
VCC on Top Layer "VCC_L01_P035" (solid, pour order 35): 85.979,55.88 83.312,55.88 83.312,50.546 85.979,50.546 85.979,43.053 90.043,43.053 90.043,41.91 99.187,41.91 99.187,55.88 90.043,55.88
3V3 on Top Layer "3V3_L01_P033" (solid, pour order 33): 21.082,17.653 21.082,23.368 28.702,23.368 28.702,12.573 21.082,12.573 21.082,15.875 18.606,15.875 18.606,17.653
+5 on Top Layer "+5_L01_P005" (solid, pour order 5): 13.696,12.553 20.506,12.553 20.506,15.494 18.288,15.494 18.288,17.053 13.655,17.053 11.355,17.053 11.355,12.553
PGND on Top Layer "PGND_L01_P003" (solid, pour order 3): 20.506,23.309 13.97,23.309 13.97,20.028 13.97,17.907 13.933,17.87 13.655,17.87 6.105,17.87 6.105,20.603 5.08,20.603 5.08,31.78 5.08,33.782 9.017,33.782 9.017,39.878 0,39.878 0,12.553 10.755,12.553 10.755,17.353 13.655,17.353 18.288,17.353 18.288,18.034 20.506,18.034
AGND on Top Layer "AGND_L01_P002" (solid, pour order 2): 17.272,7.747 18.161,8.636 18.161,12.192 13.655,12.192 13.655,12.253 0,12.253 0,0 13.335,0 13.335,5.207 14.605,5.207 14.605,7.747
PGND on Bottom Layer "PGND_L04_P063" (solid, pour order 63): 89.408,41.518 91.096,39.83 97.98,39.83 97.98,33.83 89.98,33.83 89.98,37.147 87.376,39.751 83.058,39.751 77.597,39.751 75.438,37.592 69.342,37.592 69.342,30.099 65.151,25.908 42.291,25.908 33.655,25.908 29.718,29.845 29.718,37.592 23.495,37.592 21.336,39.751 15.875,39.751 15.875,42.545 24.13,42.545 26.416,44.831 33.528,44.831 33.528,33.274 35.433,31.369 63.5,31.369 65.532,33.401 65.532,44.831 72.771,44.831 75.057,42.545 88.381,42.545
NetC28_1 on Bottom Layer "NETC28_1_L04_P067" (solid, pour order 67): 85.344,43.053 85.344,50.165 81.788,50.165 77.47,50.165 74.93,52.705 64.47,52.705 63.86,52.095 58.06,52.095 58.06,45.695 65.176,45.695 65.532,45.339 73.025,45.339 75.311,43.053
NetC26_1 on Bottom Layer "NETC26_1_L04_P065" (solid, pour order 65): 24.003,43.053 13.843,43.053 13.843,50.114 17.475,50.114 21.92,50.114 24.511,52.705 34.869,52.705 35.377,52.197 41.33,52.197 41.33,45.644 33.96,45.644 33.655,45.339 26.289,45.339
PGND on Bottom Layer "PGND_L04_P061" (solid, pour order 61): 94.65,29.243 94.65,32.131 96.85,32.131 96.85,30.843 96.85,29.243
VCC on Bottom Layer "VCC_L04_P050" (solid, pour order 50): 85.979,55.88 83.312,55.88 83.312,50.546 85.979,50.546 85.979,43.053 87.884,43.053 88.9,43.053 90.043,41.91 99.187,41.91 99.187,55.88
BOOST-TS on Bottom Layer "BOOST-TS_L04_P047" (solid, pour order 47): 65.024,33.401 63.373,31.75 51.816,31.75 50.165,33.401 50.165,43.18 51.816,44.831 65.024,44.831
BUCK-TS on Bottom Layer "BUCK-TS_L04_P046" (solid, pour order 46): 34.036,33.401 35.687,31.75 47.244,31.75 48.895,33.401 48.895,43.18 47.244,44.831 34.036,44.831
PGND on Bottom Layer "PGND_L04_P013" (solid, pour order 13): 5.08,33.782 9.017,33.782 9.017,39.878 0,39.878 0,32.348 0,12.553 10.795,12.553 10.795,20.603 5.08,20.603
Vout on Bottom Layer "VOUT_L04_P012" (solid, pour order 12): 15.875,55.88 15.875,50.546 13.208,50.546 13.208,43.053 11.43,43.053 11.43,24.003 8.89,24.003 8.89,20.955 5.588,20.955 5.588,33.274 9.652,33.274 9.652,42.037 0,42.037 0,55.88 11.303,55.88
AGND on Bottom Layer "AGND_L04_P016" (solid, pour order 16): 17.272,7.747 18.161,8.636 18.161,12.192 15.494,12.192 15.494,26.924 19.177,26.924 19.177,29.337 15.494,29.337 15.494,39.37 11.684,39.37 11.684,23.56 9.381,23.56 9.381,21.336 11.355,21.336 11.355,12.253 0,12.253 0,0.254 13.335,0.254 13.335,5.207 14.59,5.207 14.605,5.222 14.605,7.747
VCC on Mid Layer 2 "VCC_L03_P070" (solid, pour order 70): 89.916,48.133 98.044,48.133 98.044,42.037 89.916,42.037
Vout on Mid Layer 2 "VOUT_L03_P069" (solid, pour order 69): 1.016,48.133 9.144,48.133 9.144,42.037 1.016,42.037
+5 on Mid Layer 2 "+5_L03_P060" (solid, pour order 60): 0,25.908 72.644,25.908 72.644,17.399 57.15,17.399 57.15,23.876 21.971,23.876 21.971,1.651 53.975,1.651 53.975,5.969 65.405,5.969 65.405,2.413 84.836,2.413 84.836,19.304 92.71,19.304 92.71,29.718 99.06,29.718 99.06,0 0,0
3V3 on Mid Layer 2 "3V3_L03_P031" (solid, pour order 31): 56.642,23.368 56.642,16.891 73.152,16.891 73.152,25.908 88.9,25.908 88.9,29.718 92.329,29.718 92.329,19.685 88.9,19.685 84.455,19.685 84.455,2.794 65.786,2.794 65.786,6.35 53.594,6.35 53.594,2.032 22.352,2.032 22.352,23.368
PGND on Mid Layer 1 "PGND_L02_P028" (solid, remove dead copper, pour order 28): 0,55.88 99.06,55.88 99.06,0 0,0
NetC28_1 on Bottom Solder "NONET_L04_P068" (solid, pour order 68): 85.344,43.053 85.344,50.165 81.788,50.165 77.47,50.165 74.93,52.705 64.47,52.705 63.86,52.095 58.06,52.095 58.06,45.695 65.176,45.695 65.532,45.339 73.025,45.339 75.311,43.053
NetC26_1 on Bottom Solder "NONET_L04_P066" (solid, pour order 66): 24.003,43.053 13.843,43.053 13.843,50.114 17.475,50.114 21.92,50.114 24.511,52.705 34.869,52.705 35.377,52.197 41.33,52.197 41.33,45.644 33.96,45.644 33.655,45.339 26.289,45.339
PGND on Bottom Solder "NONET_L04_P064" (solid, pour order 64): 29.718,29.845 29.718,37.592 23.495,37.592 21.336,39.751 15.875,39.751 15.875,42.545 24.13,42.545 26.416,44.831 33.528,44.831 33.528,33.274 35.433,31.369 63.5,31.369 65.532,33.401 65.532,44.831 72.771,44.831 75.057,42.545 83.058,42.545 83.058,39.751 77.597,39.751 75.438,37.592 69.342,37.592 69.342,30.099 65.151,25.908 42.291,25.908 33.655,25.908
BOOST-TS on Bottom Solder "NONET_L01_P059" (solid, pour order 59): 65.024,33.401 63.373,31.75 51.816,31.75 50.165,33.401 50.165,43.18 51.816,44.831 65.024,44.831
BUCK-TS on Bottom Solder "NONET_L01_P058" (solid, pour order 58): 34.036,33.401 35.687,31.75 47.244,31.75 48.895,33.401 48.895,43.18 47.244,44.831 34.036,44.831

## Keep-outs
Mid Layer 1:
  lines w0.127: 11.303,23.622 42.291,23.622 56.896,23.622 56.896,22.479 56.896,17.145 72.898,17.145 72.898,26.162 88.646,26.162 88.646,29.972 98.552,29.972 ; 37.973,20.955 37.973,22.733 47.701,22.733 47.879,22.733 47.879,22.555 47.879,16.637 43.663,16.637 ; 37.973,20.98 37.973,16.637 41.402,16.637 42.164,16.637 42.164,15.9 ; 43.663,15.9 43.663,16.637 ; 43.663,16.586 43.663,16.637
Keep-Out Layer:
  the board outline again, w0.5

## Silkscreen, mask and mechanical layers (free items; w line width, h text height)
Top Overlay:
  drawing of 22 lines, arcs and shapes, not listed
  text "RcMPPT" at 45.208,49.907 h1.5
  text "Thomas Hofmann" at 43.457,47.267 h0.9
  text "+" at 9.548,44.577 h0.9
  text "+" at 88.796,44.577 h0.9
  text "VOUT" at 3.325,40.536 h0.9
  text "Vin" at 92.86,40.409 h0.9
  text "-" at 88.796,36.403 h0.9
  text "-" at 9.548,36.276 h0.9
  text "+" at 90.424,28.852 h0.9 r90
  text "SPI" at 90.401,25.042 h0.9 r90
  text "-" at 89.489,23.218 h0.9 r270
  text "Reset" at 32.408,22.121 h0.9
  text "BOOT/AUX" at 56.111,16.025 h0.9 r90
  text "+" at 91.059,15.644 h0.9 r90
  text "I2C" at 91.036,12.977 h0.9 r90
  text "-" at 90.124,12.55 h0.9 r270
  text "GND" at 21.694,9.929 h0.9 r90
  text "5V" at 19.916,8.913 h0.9 r90
  text "SWD" at 69.088,8.89 h1.52
  text "3V3" at 23.472,8.024 h0.9 r90
  text "USB" at 58.443,6.246 h0.9
Bottom Overlay:
  drawing of 27 lines, arcs and shapes, not listed
  text "+" at 9.548,44.577 h0.9
  text "+" at 88.796,44.577 h0.9
  text "VOUT" at 6.581,40.536 h0.9
  text "Vin" at 95.1,40.409 h0.9
  text "-" at 88.796,36.403 h0.9
  text "-" at 9.548,36.276 h0.9
  text "Insert / Magic Smoke" at 84.76,36.271 h0.9
  text "here" at 84.76,35.128 h0.9
  text "+" at 90.424,27.709 h0.9 r90
  text "UART" at 90.401,27.282 h0.9 r90
  text "-" at 89.489,23.726 h0.9 r270
  text "+" at 91.059,15.644 h0.9 r90
  text "-" at 90.124,14.963 h0.9 r270
  text "CAN" at 91.036,13.82 h0.9 r90
  text "SBUS/RC" at 29.949,9.294 h0.9
  text "-" at 29.187,8.936 h0.9 r180
  text "+" at 25.377,8.89 h0.9 r180
Bottom Solder:
  pour cut-out: 57.912,41.846 59.436,41.846 59.436,43.37 57.912,43.37
  pour cut-out: 35.052,41.846 36.576,41.846 36.576,43.37 35.052,43.37
  pour cut-out: 35.052,28.511 36.576,28.511 36.576,30.035 35.052,30.035
  pour cut-out: 57.912,28.511 59.436,28.511 59.436,30.035 57.912,30.035
Board:
  the board outline again, w0.254

## Text inside footprints (layer, text, board x,y; h text height)
J1: Top Overlay "1" at 68.453,0.762 h0.76